# Altium PCB Node.PcbDoc (continued)
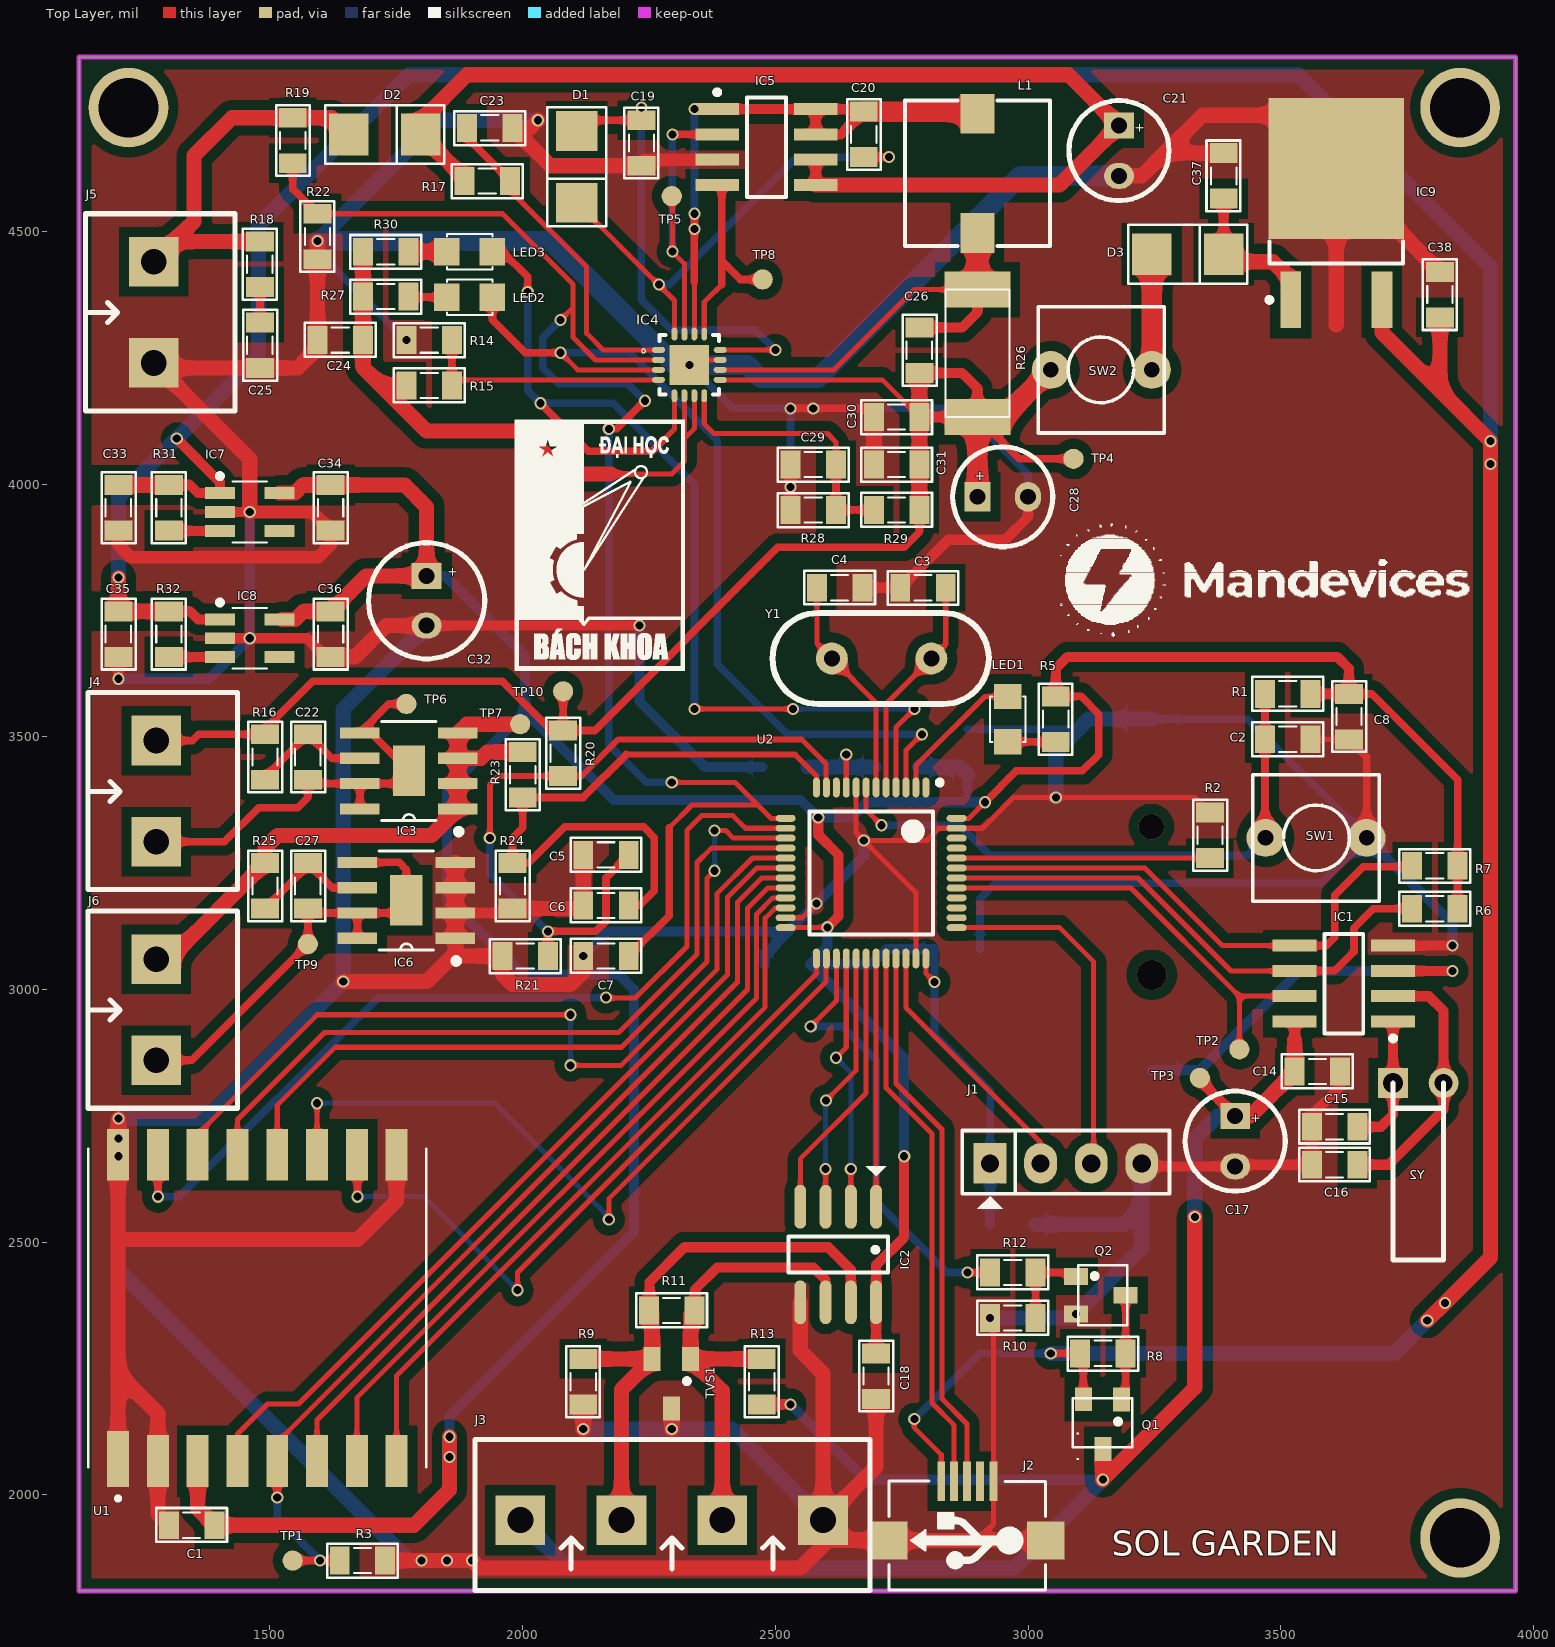
[diagram p0: Top Layer view]
## Footprints (in the part's own frame and the unit in brackets; to place one, negate y for a bottom-side part, rotate by r counter-clockwise, add the part's x,y. Pads: shape width x height; smd on the part's side, far side on the other; paste and mask are expansions set on the pad)
C5mm [mm]
  rect 1.3x1.5 hole 0.8: 1(-1.27,0)
  oval 1.3x1.5 hole 0.8: 2(1.27,0)
  silkscreen extent -2.51,-2.51 2.51,2.51, body extent -2.5,-2.5 2.49,2.5, height 11.01
C8mm [mm]
  rect 1.3x1.5 hole 0.8: 1(-1.25,0)
  oval 1.3x1.5 hole 0.8: 2(1.25,0)
  silkscreen extent -2.92,-2.92 2.92,2.92, body extent -3.15,-3.15 3.16,3.15, height 11.51
CAP_0805 [mil]
  rect 39.37x55 smd: 1(-45,0) 2(45,0)
  silkscreen extent -70,-34 70,33, body extent -40,-25 40,25, height 24
"CR1220 SMD" [mil] "CR1220 SMD"
  rect 98.43x157.48 smd: 1(-9,-341) 2(-9,353)
  silkscreen extent -279,-255 261,284, body extent -299,-362 281,394, height 179
DIO-214AC(SMA) [mm] "DO-214AC Diode Smallest Size"
  rect 2x2.1 smd: 1(1.88,-0.051) 2(-1.732,-0.051)
  silkscreen extent -2.92,-1.52 3.07,1.42, body extent -2.5,-1.35 2.7,1.25, height 2.4
Jump_4p [mil]
  rect 65x80 hole 36: 1(0,0)
  oval 65x80 hole 36: 2(100,0) 3(200,0) 4(300,0)
  silkscreen extent -55,-90 355,65, body extent -50,-49 346,49, height 323
KF2-5.08 [mm]
  rect 2.5x2.5 hole 1.3: 1(-2.54,0) 2(2.54,0)
  silkscreen extent -4.95,-4.08 4.95,3.43, body extent -5,-4.07 5,3.43, height 10
KF4-5.08 [mm]
  rect 2.5x2.5 hole 1.3: 1(0,0) 2(5.08,0) 3(10.147,0) 4(15.215,0)
  silkscreen extent -2.29,-3.53 17.58,4.06, body extent -2.36,-3.43 17.64,4.07, height 10
L-SMD-M-7.3x4.5 [mm] "WE-PDA SMD Shielded Power Inductor, 7345"
  rect 1.7x2 smd: 1(0,3) 2(0,-3)
  silkscreen extent -3.65,-3.65 3.65,3.65, body extent -3.65,-3.65 3.65,3.65, height 4.05
LED-0805-Orange [mil]
  rect 50x55 smd: 1(0,0) 2(90,0)
  silkscreen extent 0,-35 90,35, body extent 5,-25 85,25, height 43
LED-0805-Red [mil]
  rect 50x55 smd: 1(0,0) 2(90,0)
  silkscreen extent 0,-35 90,35, body extent 5,-25 85,25, height 43
"LQFP 48" [mm] "LQFP, 48-Leads, Body 7,00x7,00mm, Pitch 0,50mm, IPC Medium Density"
  oval 1x0.35 smd: 1(-4.296,2.75) 2(-4.296,2.25) 3(-4.296,1.75) 4(-4.296,1.25) 5(-4.296,0.75) 6(-4.296,0.25) 7(-4.296,-0.25) 8(-4.296,-0.75) 9(-4.296,-1.25) 10(-4.296,-1.75) 11(-4.296,-2.25) 12(-4.296,-2.75) 25(4.296,-2.75) 26(4.296,-2.25) 27(4.296,-1.75) 28(4.296,-1.25) 29(4.296,-0.75) 30(4.296,-0.25) 31(4.296,0.25) 32(4.296,0.75) 33(4.296,1.25) 34(4.296,1.75) 35(4.296,2.25) 36(4.296,2.75)
  oval 0.35x1 smd: 13(-2.75,-4.296) 14(-2.25,-4.296) 15(-1.75,-4.296) 16(-1.25,-4.296) 17(-0.75,-4.296) 18(-0.25,-4.296) 19(0.25,-4.296) 20(0.75,-4.296) 21(1.25,-4.296) 22(1.75,-4.296) 23(2.25,-4.296) 24(2.75,-4.296) 37(2.75,4.296) 38(2.25,4.296) 39(1.75,4.296) 40(1.25,4.296) 41(0.75,4.296) 42(0.25,4.296) 43(-0.25,4.296) 44(-0.75,4.296) 45(-1.25,4.296) 46(-1.75,4.296) 47(-2.25,4.296) 48(-2.75,4.296)
  silkscreen extent -4.67,-3.1 3.1,3.58, body extent -4.5,-4.5 4.5,4.5, height 1.6
Ra-02 [mm]
  rect 2.8x1.1 smd: 1(-7.6,7)
  rect 2.6x1.1 smd: 2(-7.7,5) 3(-7.7,3) 4(-7.7,1) 5(-7.7,-1) 6(-7.7,-3) 7(-7.7,-5) 8(-7.7,-7) 9(7.7,-7) 10(7.7,-5) 11(7.7,-3) 12(7.7,-1) 13(7.7,1) 14(7.7,3) 15(7.7,5) 16(7.7,7)
  silkscreen extent -9.68,-8.5 8,8.5, body extent -8,-8.49 8,8.51, height 3.03
RES-SMD-0805 [mil]
  rect 39.37x55 smd: 1(-45,0) 2(45,0)
  silkscreen extent -70,-34 70,33, body extent -39,-25 39,25, height 31
RES-SMD-2512 [mm] "Chip Capacitor, Body 3.2x2.5mm, IPC Medium Density"
  rect 1.8x3.3 smd: 1(-3.2,0.127) 2(3.2,0.127)
  silkscreen extent -3.2,-1.47 3.2,1.73, body extent -3.2,-1.47 3.2,1.73, height 0.6
SO-8 [mm] "8-Pin Small Outline Integrated Circuit 1.27 mm Pitch, IPC Medium Density"
  oval 2.2x0.6 smd: 1(-2.4,1.905) 2(-2.4,0.635) 3(-2.4,-0.635) 4(-2.4,-1.905) 5(2.4,-1.905) 6(2.4,-0.635) 7(2.4,0.635) 8(2.4,1.905)
  silkscreen extent -4.45,-2.5 0.9,2.5, body extent -2.89,-2.43 3.15,2.59, height 1.6
SOIC-8 [mm] "SOIC, 8-Leads, Body 5,0x4,0mm (max), Pitch 1,27mm, IPC Medium Density"
  rect 2.2x0.6 smd: 1(-2.475,1.905) 2(-2.475,0.635) 3(-2.475,-0.635) 4(-2.475,-1.905) 5(2.475,-1.905) 6(2.475,-0.635) 7(2.475,0.635) 8(2.475,1.905)
  silkscreen extent -2.6,-2.5 0.98,2.88, body extent -3.2,-2.5 3.2,2.5, height 1.75
SOP8-PP [mil]
  rect 78x22 smd: 1(-96.99,75.01) 2(-96.99,25.01) 3(-96.99,-24.99) 4(-96.99,-74.99) 5(97.01,-74.99) 6(97.01,-24.99) 7(97.01,25.01) 8(97.01,75.01)
  rect 64x100 smd: 9(0,0)
  silkscreen extent -100,-98 54,121, body extent -119,-99 119,99, height 63
SOT23 [mm] "SOT 23 _ 1-3-2"
  rect 0.85x1.2 smd: 1(-0.94,-1.245) 2(0.985,-1.25) 3(0.005,1.25)
  silkscreen extent -0.89,-0.25 -0.64,0, body extent -1.47,-1.33 1.53,1.17, height 1.06
SOT23-5 [mm] "SOT23, 5-Leads, Body 3.0x3.0mm (max), Pitch 0.95mm, IPC Medium Density"
  rect 1.5x0.6 smd: 1(-1.5,0.95) 2(-1.5,0) 3(-1.5,-0.95) 4(1.5,-0.95) 5(1.5,0.95)
  silkscreen extent -1.62,-1.52 0.87,1.92, body extent -1.75,-1.52 1.75,1.53, height 1.45
SOT23A [mm] "SOT 23A"
  rect 0.85x1.2 smd: 1(-0.94,-1.245) 2(0.005,1.25) 3(0.985,-1.25)
  silkscreen extent -1.47,-1.3 1.52,1.17, body extent -1.5,-1.3 1.5,1.2, height 1.06
SOT23D [mm] "SOT 23C - 1-3-2 - BCE"
  rect 0.85x1.2 smd: 1(-0.95,-1.25) 2(0.94,-1.245) 3(0,1.25)
  silkscreen extent -1.5,-1.14 1.5,1.32, body extent -1.5,-1.17 1.5,1.33, height 1.06
SW2 [mil] "SW button 2pin, 250x 250 mil"
  round 75 hole 31: 1(0,0) 2(200,0)
  silkscreen extent -25,-125 225,125
TO-252 [mm] "KVU D-PAK, 3-Pads, Body 6,2x6,7mm (max), IPC Medium Density"
  rect 2.85x1.05 smd: 1(-4.2,2.29) 3(-4.2,-2.29)
  rect 7.1x6.8 smd: 2(2.4,0)
  silkscreen extent -4.32,-3.35 -1.27,3.49, body extent -5.03,-3.35 5.08,3.35, height 2.4
TP_SMD [mil]
  round 40 smd: 1(0,0)
USB-M1 [mm]
  rect 0.4x2 smd: 1(1.3,0) 2(0.65,0) 3(0,0) 4(-0.65,0) 5(-1.321,0)
  rect 1.9x1.9 smd: 5(-3.95,2.968) 5(3.95,2.968)
  silkscreen extent -3.94,-0.03 3.94,5.46, body extent -3.98,0.11 4,5.54, height 2.71
VQFN-16 [mm]
  oval 0.65x0.3 smd: 1(-1.55,0.75) 2(-1.55,0.25) 3(-1.55,-0.25) 4(-1.55,-0.75) 9(1.55,-0.75) 10(1.55,-0.25) 11(1.55,0.25) 12(1.55,0.75)
  oval 0.3x0.65 smd: 5(-0.75,-1.55) 6(-0.25,-1.55) 7(0.25,-1.55) 8(0.75,-1.55) 13(0.75,1.55) 14(0.25,1.55) 15(-0.25,1.55) 16(-0.75,1.55)
  rect 2x2 smd: 17(0,0)
  silkscreen extent -2.4,-1.5 1.5,1.5
XTAL [mm]
  round 1.6 hole 0.8: 1(-2.552,0.001) 2(2.448,0.001)
  silkscreen extent -5.44,-2.29 5.44,2.29, body extent -5.55,-2.32 5.62,2.35, height 3.63
XTAL32K [mm] "Connector; Header; 2 Position"
  rect 1.5x1.5 hole 1.016: 1(0,0)
  round 1.5 hole 0.9: 2(2.54,0)
  silkscreen extent 0,-8.89 2.54,0

## Part data
BAT1: "Battery 3VDC"
C1 C2 C3 C4 C5 C6 C7 C8 C9 C10 C11 C12 C13 C14 C15 C16 C18 C19 C20 C22 C23 C24 C25 C26 C27 C29 C30 C31 C33 C34 C35 C36 C37 C38: library part CapSMD, "Capacitor", LatestRevisionDate=17-Jul-2002, LatestRevisionNote="Re-released for DXP Platform.", PackageReference=RAD-0.3, Published=8-Jun-2000, Publisher="Altium Limited"
C17 C21 C28 C32: library part "Cap Pol", "Polarized Capacitor (Axial)", LatestRevisionDate=17-Jul-2002, LatestRevisionNote="Re-released for DXP Platform.", PackageReference=POLAR0.8, Published=8-Jun-2000, Publisher="Altium Limited"
D1 D2 D3: "Schottky Rectifiers"
IC2: library part MAX485, "RS232 - RS485 (Same sn75176)"
IC3 IC6: library part XB8688, "One Cell Lithium-ion/Polymer Battery Protection IC"
IC4: "BQ24650 Stand-Alone Synchronous Buck Battery Charge Controller for Solar Power / With Maximum Power Point Tracking"
IC5: "Dual N-Channel Enhancement Mode Field Effect Transistor with Schottky Diode"
IC7 IC8: "RT9013-33GB IC REG LINEAR 3.3V 500mA SOT23-5"
IC9: library part LM78xx, "LDO to 5V", =LM7808
J1: library part Header4, "Header IDC, 4 x 1 Pin Vertical 2.54mm Pitch (Non-Boxed, Male)", Manufacturer="Würth Elektronik eiSos GmbH", partNo=613002143121, ComponentLink1 Description=Manufacturer, ComponentLink1URL=http://www.we-online.com, ComponentLink2 Description=Datasheet, ComponentLink2URL=http://katalog.we-online.de/em/datasheet/6130xx143121.pdf, Created by="Karrer Zheng", Created Date="29 March 2013", NoPins=02
J2: Manufacturer=FCI, Manufacturer Part Number=10118193-0001LF, Supplier Part Number 1=609-4616-1-ND, .Checked PCB=RF, .Checked SCH=MM, .Creator=MM, Category="Connectors, Interconnects", ComponentLink1Description=http://portal.fciconnect.com/Comergent//fci/drawing/10118193.pdf, ComponentLink1URL=http://portal.fciconnect.com/Comergent//fci/drawing/10118193.pdf, Connector Type="USB - micro B", Features="Shielded, Solder Retention", Gender=Receptacle, Ingress Protection=-, Mounting Type="Surface Mount, Right Angle, Horizontal", Number of Contacts=5, Packaging="Cut Tape (CT)", Pricing 1="1=0.46, 10=0.433, 25=0.3712, 50=0.3156, 100=0.3032, 250=0.27224, 500=0.25988 (USD)", RoHS="RoHS Compliant", Specifications="USB 2.0", Stock 1=28642, Supplier 1=Digi-Key
J3: Manufacturer="Würth Elektronik eiSos GmbH", partNo=691133710004, ComponentLink1 Description=Manufacturer, ComponentLink1 URL=http://www.we-online.com, ComponentLink2 Description=Datasheet, ComponentLink2 URL=http://katalog.we-online.de/em/datasheet/6911337100xx.pdf, Created by="Baojun Chen", Created Date=4-Aug-15, NoPins=4
J4 J5 J6: Manufacturer="Würth Elektronik eiSos GmbH", partNo=691103110002, ComponentLink1 Description=Manufacturer, ComponentLink1URL=http://www.we-online.com, ComponentLink2 Description=Datasheet, ComponentLink2URL=http://katalog.we-online.de/em/datasheet/6911031100xx.pdf, Created by="Karrer Zheng", Created Date="29 October 2013", NoPins=2
L1: library part Inductor, "Inductor"
LED1 LED2 LED3: "LED Single colour Green and Red"
Q1: library part MOSFET_P, "30V 5.8A P-Channel MOSFET"
Q2: library part C1815, "NPN 600mW, ECB", =C2383
R1 R2 R31 R32: library part "Resistor - SMD", "Resistor", Manufacturer="Generic Components", Class=Passive, Published=08/06/2000, Publisher="Altium Hobart Technology Centre"
R3 R4 R5 R6 R7 R8 R9 R10 R11 R12 R13 R14 R15 R16 R17 R18 R19 R20 R21 R22 R23 R24 R25 R26 R27 R28 R29 R30: library part "Resistor - SMD", "Resistor SMD", Manufacturer="Generic Components", Class=Passive, Published=08/06/2000, Publisher="Altium Hobart Technology Centre"
SW1 SW2: library part SW2, "Switch button 2 pin"
TP1 TP2 TP3 TP4 TP5 TP6 TP7 TP8 TP9 TP10: library part TP, "CONNECT 1"
TVS1: library part BAV70, "BAV70"
U2: library part STM32F103C8T6, "STM32 ARM-based 32-bit MCU with 64 Kbytes Flash, 64-pin LQFP, Industrial Temperature"
Y1: library part XTAL, "Crystal Oscillator", LatestRevisionDate=17-Jul-2002, LatestRevisionNote="Re-released for DXP Platform.", PackageReference=R38, Published=8-Jun-2000, Publisher="Altium Limited"
Y2: library part XTAL/32KHz, "Crystal Oscillator", LatestRevisionDate=17-Jul-2002, LatestRevisionNote="Re-released for DXP Platform.", PackageReference=R38, Published=8-Jun-2000, Publisher="Altium Limited"

## Free pads (board coordinates)
  round 157.48 hole 118.11: 0(1220,4745) 0(3855,1915) 0(3855,4745)

## Via types
v1: diameter 24, hole 16, Top Layer to Bottom Layer, 88 vias
v2: diameter 59.06, hole 59.06, Top Layer to Bottom Layer, 1 vias
v3: diameter 51.18, hole 51.18, Top Layer to Bottom Layer, 1 vias

## Nets (pads, with @x,y where several pads share a name; then routed paths per layer and width w, separated by ;. In a path a pad name is that pad's centre, name@x,y a point inside that pad or via, vN(x,y) a via of type N, cw(c..) or ccw(c..) an arc to the next point about the centre after c; other vN are vias at no path point)
3V3: C1.1 C8.2 C9.2 C10.2 C11.2 C12.2 C18.2 C32.1 C34.2 C36.2 IC2.8 IC7.5 IC8.5 J1.1 R1.1 R4.1 R5.1 R6.2 R7.2 U1.3 U2.24 U2.36 U2.48 | length 9037.1
  Top Layer w10: U2.24 2521.19,3123.07 v1(2603.07,3123.07) ; U2.36 2797.8,3032.2 v1(2815,3015) ; U2.48 2883.24,3338.81 v1(2915,3370.57)
  Top Layer w15: v1(2915,3370.57) 2976.93,3432.5 3107.5,3432.5 3140,3465 3140,3545 3105,3580 R5.1 ; C8.2 3680,3585 3850,3415 R7.2 R6.2
  Top Layer w20: v1(2585,3340) 2585,3306.18 2625,3266.18 2625,3145 v1(2603.07,3123.07) ; C18.2 IC2.8 2699.37,2454.37 2755,2510 v1(2755,2670) ; R5.1 3055,3635 3078.21,3658.21 3611.79,3658.21 3635,3635 C8.2 R1.1
  Top Layer w30: U1.3 1356.89,1973.11 C1.1 1390,1930 1400,1940 1785,1940 1855,2010 v1(1855,2075) v1(1855,2115) ; IC7.5 1549.19,3982.4 1565,3998.21 C34.2 1766.79,3998.21 1810,3955 C32.1 1690.22,3818.43 C36.2 1565.81,3748.21 1550,3732.4 IC8.5@1524.06,3732.4
  Bottom Layer w15: C9.2 v1(2815,3015) 2815,2910 2925,2800 J1.1 ; 2880,3370.57 C10.2
  Bottom Layer w20: C32.1 1846.57,3818.43 2005,3660 2005,3550 ; v1(1855,2075) v1(1855,2115) 1855,2155 2220,2520 2220,3000 2190,3030 2000,3030 1850,3180 1850,3395 2005,3550 ; v1(2603.07,3123.07) 2603.07,3084.02 C11.2 ; v1(2755,2670) 2755,2864.05 C11.2 ; C9.2 2720,3080 2690,3050 C11.2 ; v1(2915,3370.57) 2880,3370.57 2680.57,3370.57 2650,3340 v1(2585,3340) 2550,3375 2180,3375 2005,3550 ; C12.2 J1.1
  Bottom Layer w30: R4.1 2865,3440 C10.2
5V: C33.2 C35.2 C38.2 IC7.1 IC8.1 IC9.3 J2.1 Q1.3 R8.1 R31.1 R32.1 | length 8292.4
  Top Layer w10: v1(2775,2150) 2775,2132.8 2828.31,2079.49 J2.1
  Top Layer w15: v1(3045,2280) R8.1 3109.42,2273.8 Q1.3
  Top Layer w20: R32.1 1341.79,3748.21 1357.6,3732.4 IC8.1 ; R31.1 1341.79,3998.21 1357.6,3982.4 IC7.1 1400.94,4004.06 v1(1315.61,4090)
  Top Layer w30: v1(1200,3815) C35.2 R32.1 ; C33.2 R31.1 ; IC9.3 3700.16,4299.84 3815,4185 ; v1(3790,2345) v1(3825,2380) 3915,2470 v1(3915,4040) v1(3915,4085) 3815,4185 ; C38.2 3815,4185
  Bottom Layer w15: v1(2775,2150) 2905,2280 v1(3045,2280)
  Bottom Layer w30: v1(1200,3815) 1200,3974.39 v1(1315.61,4090) 1477.51,4252.51 1477.51,4512.51 1775,4810 3535,4810 3915,4430 v1(3915,4085) v1(3915,4040) ; v1(3045,2280) 3725,2280 v1(3790,2345) v1(3825,2380)
5V-: C14.2 C17.1 IC1.8 J3.1 Q1.2 R13.1 TP3.1 | length 3267.9
  Top Layer w20: R13.1 v1(2530,2179) ; TP3.1 3340,2820 C17.1 ; 3527.56,2900 IC1.8
  Top Layer w30: Q1.2 v1(3148.01,2030) 3330.07,2212.05 v1(3330.07,2550) ; C17.1 3440,2750 C14.2 3527.56,2900
  Bottom Layer w20: v1(2530,2179) 2679,2030 v1(3148.01,2030)
  Bottom Layer w30: J3.1 2090.5,1855 2973.01,1855 v1(3148.01,2030) ; v1(3330.07,2550) 3330.07,2705.07 3375,2750 C17.1
A: IC2.6 J3.3 R11.1 R13.2 TVS1.1 | length 958.1
  Top Layer w20: R11.1@2341.23,2365 2341.23,2406.23 2385,2450 2575,2450 2599.37,2425.63 IC2.6
  Top Layer w30: R11.1@2341.23,2365 2332,2355.77 TVS1.1 ; J3.3 2395,2206 TVS1.1 ; R13.2 TVS1.1
BOOT0: R2.1 U2.44 | length 501.3
  Top Layer w10: U2.44 R2.1
BTST: C20.1 D1.2 IC4.16 | length 950.4
  Top Layer w10: D1.2 v1@2270,4393.8 ; v1(2270,4395) v1@2270,4393.8 ; IC4.16 2300.31,4363.48 v1@2270,4393.8
  Top Layer w15: C20.1 v1(2725,4647)
  Bottom Layer w15: v1(2270,4395) 2290,4395 2542,4647 v1(2725,4647)
GND: BAT1.2 C1.2 C2.1 C3.1 C4.1 C5.2 C6.2 C7.2 C8.1 C9.1 C10.1 C11.1 C12.1 C13.1 C14.1 C15.2 C16.2 C17.2 C18.1 C19.2 C21.2 C23.2 C24.2 C25.1 C28.2 C29.1 C30.1 C31.1 C32.2 C33.1 C34.1 C35.1 C36.1 C37.1 C38.1 IC1.4 IC2.5 IC4.11 IC4.17 IC5.3 IC6.1 IC6.2 IC6.3 IC6.4 IC7.2 IC8.2 IC9.2 J1.4 J2.5 J3.4 J5.1 Q2.2 R2.2 R3.2 R9.2 R10.2 R14.1 R21.1 R22.2 R24.1 R28.1 SW1.1 TVS1.3 U1.1 U1.2 U1.9 U1.16 U2.8 U2.23 U2.35 U2.47 | length 24393.6
  Top Layer w10: v1(2329.84,4236.02) 2339.68,4245.87 IC4.11 ; U2.23 2553.22,3141.96 v1(2581.26,3170) ; U2.8 2660,3310 v1(2675,3295) ; U2.35 2778.11,3191.89 v1(2675,3295) ; 2900,1910 2931.49,1941.49 2931.49,2026.84 2931.49,2343.51 v1(2925,2350) ; R2.2 3330.07,3380 v1(3055,3380) 2970.88,3380 2910,3319.12 U2.47 2824.12,3319.12 2800,3295 v1(2675,3295) ; C2.1 C8.1
  Top Layer w15: v1(2530,4150) v1(2575,4150) 2678.03,4150 C30.1 ; C8.1 3670,3460 SW1.1
  Top Layer w20: v1(1200,3615) C35.1 ; IC8.2 v1(1460,3695) 1573.21,3695 C36.1@1610,3658.21 ; IC7.2 v1(1460,3945) ; C32.2 v1(2231.41,3720) ; IC6.2 1971.41,3151.41 R24.1 ; R28.1 v1(2530,3994.02) C29.1 ; C4.1 C3.1 2842.24,3890 2955,3890 3000,3935 C28.2 ; J1.4 3231,2650 C17.2 3413.27,2653.27 C16.2 C15.2 3561.67,2751.67 3617.56,2807.56 C14.1 ; IC1.4 v1(3840,3086.73)
  Top Layer w25: C33.1 1200,3880 1225,3855 1595,3855 1620,3880 C34.1 1583.21,3945 v1(1460,3945) ; C19.2@2230,4630 2242,4642 IC5.3
  Top Layer w30: U1.1 1199.41,2240 ; 1200,2505 1673.7,2505 1750.59,2581.89 U1.9 ; v1(1200,2705) v1(1200,2745) 1200,2720 1199.41,2719.41 U1.16 1199.41,2240 ; C35.1 C35.1@1205,3658.21 ; J5.1 J5.1@1280,4230 ; C1.2 1278.15,1961.85 U1.2 1278.15,2161.26 1199.41,2240 ; v1(1460,3945) 1460,4050 J5.1@1280,4230 ; v1(1594.05,4481.25) R22.2 C24.2 1594.05,4269.05 1555,4230 C25.1 J5.1@1280,4230 ; C36.1@1610,3658.21 C36.1 1668.21,3658.21 1730,3720 C32.2 ; v1(1645,3015.59) 1810.59,3015.59 1861.41,3066.41 ; R3.2 v1(1800,1870) v1(1850,1870) v1(1900,1870) 1915,1855 2550,1855 2594.5,1899.5 ; IC6.4 IC6.3 IC6.2 IC6.1 1866.99,3071.99 1861.41,3066.41 ; R24.1 2113.59,3160 C6.2 C5.2 ; v1(2030,4720) 2015,4705 C23.2 2055,4630 C19.2@2230,4630 ; v1(2120,2130) R9.2 ; v1(2120,3066.41) 2120,3035 2095,3010 1980,3010 1960,3030 R21.1 1861.41,3066.41 ; TVS1.3 2294.8,2130.2 v1(2295,2130) ; IC2.5 2549.37,2285.63 2594.5,2240.5 J3.4 ; C31.1 C30.1 ; C18.1 2699.37,2054.87 J3.4 ; J2.5@3035,1910 2900,1910 2723.98,1910 J3.4@2634.5,1910 ; C21.2 3225,4610 3270,4655 ; C37.1 3270,4655 ; 3610,4315 IC9.2 ; C38.1 3610.51,4624.49 IC9.2 ; 2594.5,1899.5 2605,1910 J3.4@2634.5,1910 ; 2594.5,1899.5 J3.4 ; J3.4 J3.4@2634.5,1910 ; 3270,4655 3345,4730 3504.49,4730 IC9.2
  Bottom Layer w15: v1(1594.05,4481.25) 1594.05,4460.95 v1(1770,4285) ; v1(2329.84,4236.02) 2415.87,4150 v1(2530,4150) ; v1(2530,3994.02) v1(2530,4150) ; C10.1 3090,3515 3095,3510 ; C9.1 2905,3180 2935,3210 3580,3210 SW1.1 3435,3535 BAT1.2 ; C28.2 3000,4020 2870,4150 v1(2575,4150) v1(2530,4150)
  Bottom Layer w20: v1(1200,3615) 1380,3615 v1(1460,3695) v1(1460,3945) ; v1(2120,3066.41) 2168.6,3115 2526.26,3115 ; v1@2231.41,3715 2231.41,3569.82 2361.22,3440 C13.1 ; C11.1 2479.05,3067.79 2526.26,3115 ; v1(2675,3295) 2675,3263.74 v1(2581.26,3170) 2526.26,3115 ; SW1.1 3840,3130 v1(3840,3086.73)
  Bottom Layer w30: v1(1200,2705) v1(1200,2745) ; v1(1594.05,4481.25) 1832.79,4720 v1(2030,4720) ; C32.2 1645,3555 v1(1645,3015.59) 1645,3015 1375,2745 v1(1200,2745) ; v1(1900,1870) v1(1850,1870) v1(1800,1870) 1775,1870 1200,2445 v1(1200,2745) ; v1(2120,2130) v1(2295,2130) 2414.5,2130 J3.4 ; v1(2925,2350) 3087,2350 v1(3095,2358) 3225,2488 3225,2570 ; C12.1 3190,2535 3225,2570 ; v1(3055,3380) 3055,3470 3095,3510 3120,3535 BAT1.2 ; J1.4 3225,2570
  Bottom Layer w40: v1(1594.05,4481.25) 2055.75,4481.25 2300.98,4236.02 v1(2329.84,4236.02) 2444.53,4236.02 2470.55,4210 2585,4210 2985,4610 C21.2
  other v1: 1200,2670
I2C1_SCL: IC1.6 R6.1 U2.42 | length 1055.8
  Top Layer w10: U2.42 3217.6,3220.7 3401.56,3036.73 IC1.6
  Top Layer w15: IC1.6 3606.73,3036.73 3645,3075 3645,3121.41 3683.59,3160 R6.1
I2C1_SDA: IC1.5 R7.1 U2.43 | length 1079.5
  Top Layer w10: U2.43 3231.02,3240.38 3384.67,3086.73 IC1.5
  Top Layer w15: IC1.5 3590.33,3086.73 3606.73,3103.14 3606.73,3186.73 3663,3243 3758,3243 R7.1
MCU_RESET: C2.2 R1.2 SW1.2 U2.7 | length 1171.8
  Top Layer w10: U2.7 2679.68,3355.32 v1(2710,3325)
  Top Layer w15: R1.2 C2.2 3469,3301 SW1.2
  Bottom Layer w15: v1(2710,3325) 2865,3325 2924.77,3265.23 3435.23,3265.23 SW1.2
NetBAT1_1: BAT1.1 IC1.3 | length 793.6
  Top Layer w20: IC1.3 v1(3840,3036.73)
  Bottom Layer w20: BAT1.1 3341,2841 3536.73,3036.73 v1(3840,3036.73)
NetC5_1: C5.1 R20.1 R21.2 U2.11 | length 1429.3
  Top Layer w10: 2551.62,3495 2600.15,3446.47 2600.15,3400.47 U2.11
  Top Layer w12: v1(1935,3300) 1935,3405 1952.49,3422.49 R20.1 2117,3422.49 2189.51,3495 2551.62,3495
  Top Layer w15: R21.2 v1(2050,3114.42) 2050.8,3115.22 2145,3115.22 2165,3135.22 2165,3221.4 C5.1
  Bottom Layer w15: v1(1935,3300) 1935,3229.42 v1(2050,3114.42)
NetC6_1: C6.1 R23.1 R24.2 U2.12 | length 1282.4
  Top Layer w10: 2538.75,3465 2581.26,3422.49 U2.12
  Top Layer w12: 2205,3465 2538.75,3465
  Top Layer w15: 2205,3465 2120,3380 R23.1 2000,3320 1980,3300 R24.2 2011,3250 2083,3322 2239.32,3322 2260.79,3300.53 2260.79,3195.79 2231.41,3166.41 C6.1
NetC7_1: C7.1 IC4.2 R19.1 R22.1 U2.13 | length 2960.2
  Top Layer w10: R22.1 1960,4535 2100,4395 2100,4350 ; v1(2075,4325) 2100,4350 ; IC4.2 2144.13,4245.87 2100,4290 2100,4350 ; 2290,3320 2335,3365 2465,3365 ; v1(2295,3410) 2420.05,3410 2491.25,3338.81 U2.13
  Top Layer w15: R19.1 1545,4584.05 R22.1 ; v1(2170.5,4109.5) 2186.5,4109.5 v1(2242,4165) ; C7.1 2290,3146.4 2290,3320
  Bottom Layer w15: v1(2075,4325) 2040,4290 2040,4230 2071.37,4198.63 2208.37,4198.63 v1(2242,4165) ; v1(2170.5,4109.5) 2170.5,3484.5 2245,3410 v1(2295,3410)
NetC15_1: C15.1 IC1.1 Y2.1 | length 265.1
  Top Layer w20: C15.1 3698.27,2728.27 3722.44,2752.44 Y2.1 IC1.1
NetC16_1: C16.1 IC1.2 Y2.2 | length 523.2
  Top Layer w20: C16.1 3713.27,2653.27 3822.44,2762.44 Y2.2 3822.44,2957.56 3793.27,2986.73 IC1.2
NetC21_1: C21.1 D2.2 IC5.5 IC5.6 R17.1 | length 2314.4
  Top Layer w20: IC5.5 IC5.6
  Top Layer w30: R17.1 1885,4605.21 D2.2 1798.2,4718.2 1890,4810 3080,4810 C21.1 3062,4592 IC5.5
NetC22_1: C22.1 IC3.5 IC3.7 IC3.8 IC3.9 J4.1 TP6.1 | length 878.7
  Top Layer w15: J4.1 1410.01,3292.5 1477.51,3360 1555.24,3360 1575,3379.76 C22.1 1582.5,3407.49 IC3.7 ; IC3.8 IC3.7 ; TP6.1 1735.5,3565 IC3.5 1700,3507.49 IC3.9 1749.99,3407.49 IC3.7
NetC22_2: C22.2 IC3.6 R16.1 | length 254.9
  Top Layer w15: R16.1@1480,3415 1485,3415 C22.2 1622.5,3457.49 IC3.6
NetC23_1: C23.1 IC4.1 R17.2 | length 660.4
  Top Layer w10: R17.2 1975,4581.26 2126.57,4429.68 2126.57,4298.43 2159.45,4265.55 IC4.1
  Top Layer w15: C23.1 1890,4685 R17.2
NetC25_2: C25.2 R18.2 | length 77.1
  Top Layer w15: C25.2@1475,4325 C25.2 R18.2
NetC27_1: C27.1 IC6.5 IC6.7 IC6.8 IC6.9 J6.1 TP9.1 | length 888
  Top Layer w15: J6.1 1345,2860 TP9.1 C27.1 1583.59,3151.41 IC6.7 ; IC6.8 IC6.7 ; IC6.5 1756.03,3251.41 1770,3237.44 IC6.9 1744.99,3151.41 IC6.7
NetC27_2: C27.2 IC6.6 R25.1 | length 243.3
  Top Layer w15: R25.1 1575,3245 C27.2 1623.59,3201.41 IC6.6
NetC29_2: C29.2 IC4.8 R28.2 R29.2 | length 540.6
  Top Layer w10: IC4.8 2359.37,4118.98 2378.35,4100 2603.07,4100 2620,4083.07 C29.2
  Top Layer w15: C29.2 R28.2 R29.2
NetC37_2: C37.2 D3.2 IC9.1 | length 303.8
  Top Layer w20: D3.2 C37.2
  Top Layer w30: D3.2 3402.2,4440 3485,4440 3519.84,4405.16 IC9.1
NetD3_1: D3.1 SW2.2 | length 228.8
  Top Layer w40: SW2.2 D3.1
NetIC2_1: IC2.1 U2.31 | length 491.4
  Top Layer w10: IC2.1 U2.31
NetIC2_2: IC2.2 U2.28 | length 512
  Top Layer w10: v1(2620,2865) 2640.31,2885.31 U2.28 ; IC2.2 v1(2649.37,2645)
  Bottom Layer w10: v1(2620,2865) 2649.37,2835.63 v1(2649.37,2645)
NetIC2_3: IC2.3 U2.29 | length 516.5
  Top Layer w10: IC2.3 v1(2599.37,2645) ; v1(2600,2780) 2660,2840 U2.29
  Bottom Layer w10: v1(2599.37,2645) 2599.37,2779.37 v1(2600,2780)
NetIC2_4: IC2.4 U2.30 | length 545.4
  Top Layer w10: IC2.4 2549.37,2665 2679.68,2795.31 U2.30
NetIC2_7: IC2.7 J3.2 R9.1 R11.2 TVS1.2 | length 1144
  Top Layer w20: R11.2@2251.23,2365 2251.23,2421.23 2320,2490 2605,2490 2649.37,2445.63 IC2.7
  Top Layer w30: R9.1 TVS1.2@2255.99,2269 ; J3.2 2195.5,2208.51 TVS1.2@2255.99,2269 ; R11.2@2251.23,2365 2256.2,2360.02 TVS1.2 TVS1.2@2255.99,2269
NetIC4_3: IC4.3 LED2.2 U2.3 | length 1820.3
  Top Layer w10: v1(2075,4260) 2108.82,4226.18 IC4.3 ; U2.3 2758.43,3473.42 v1(2790,3505)
  Top Layer w15: LED2.2 1940,4325 2005,4260 v1(2075,4260)
  Bottom Layer w15: v1(2075,4260) 2211.89,4260 2385,4086.89 2385,3644.05 2524.05,3505 v1(2790,3505)
NetIC4_5: IC4.5 LED3.2 U2.4 | length 2167.5
  Top Layer w10: 2275.95,4084.73 2300.31,4109.1 IC4.5 ; v1(2340,3555) v1(2535,3555) ; U2.4 2738.74,3518.74 2775,3555 v1(2775.62,3555)
  Top Layer w15: LED3.2@1935,4460 LED3.2 1960,4460 2010,4410 v1(2010,4380) ; v1(2035,4160) 2130,4065 2256.22,4065 2275.95,4084.73
  Bottom Layer w10: v1(2535,3555) v1(2775.62,3555)
  Bottom Layer w15: v1(2010,4380) 2010,4185 v1(2035,4160) 2179.5,4160 2340,3999.5 v1(2340,3555)
NetIC4_13: IC4.13 IC5.4 TP8.1 | length 407.1
  Top Layer w10: IC4.13 2359.37,4360.31 2394.06,4395
  Top Layer w15: IC5.4 2394.06,4582.94 2394.06,4395 ; 2395.51,4440 2430.51,4405 TP8.1
NetIC4_15: IC4.15 IC5.2 TP5.1 | length 604.1
  Top Layer w10: TP5.1 2296.22,4568.78 v1(2296.22,4460) 2320,4436.22 IC4.15
  Top Layer w15: v1(2296.22,4692) IC5.2
  Bottom Layer w15: v1(2296.22,4460) v1(2296.22,4692)
NetIC7_3: IC7.3 R31.2 | length 101.2
  Top Layer w20: R31.2 1300.61,3907.6 IC7.3
NetIC8_3: IC8.3 R32.2 | length 96.2
  Top Layer w20: R32.2@1305,3658.21 1305.61,3657.6 IC8.3
NetLED1_1: LED1.1 R5.2 | length 95
  Top Layer w15: LED1.1 R5.2
NetLED2_1: LED2.1 R27.2 | length 76.6
  Top Layer w15: R27.2 1775.55,4370 LED2.1
NetLED3_1: LED3.1 R30.2 | length 71
  Top Layer w30: R30.2 LED3.1@1845,4460
NetQ1_1: Q1.1 Q2.3 R8.2 | length 209.3
  Top Layer w15: Q1.1 3193.21,2197 R8.2 Q2.3
NetQ2_1: Q2.1 R10.1 R12.1 | length 172.9
  Top Layer w15: R10.1 R12.1 3087.19,2440 Q2.1
NetR3_1: R3.1 TP1.1 U1.5 U2.19 | length 1923.3
  Top Layer w10: U1.5 1514.37,2104.37 2425,3015 2425,3172.75 2472.95,3220.7 U2.19
  Top Layer w15: v1(1514.37,1995) U1.5 ; TP1.1 v1(1599,1870) R3.1
  Bottom Layer w15: v1(1514.37,1995) 1514.37,1954.63 v1(1599,1870)
NetR12_2: R12.2 U2.27 | length 876.3
  Top Layer w10: v1(2570,2926.73) 2620.63,2977.36 U2.27
  Top Layer w15: v1(2880,2440) R12.2
  Bottom Layer w15: v1(2570,2926.73) 2633.27,2926.73 2700,2860 2700,2580 2840,2440 v1(2880,2440)
NetU1_4: U1.4 U2.18 | length 1692.2
  Top Layer w10: U1.4 1435.63,2120.63 1495,2180 1556.41,2180 2405,3028.59 2405,3182 2463.38,3240.38 U2.18
NetU1_6: U1.6 U2.20 | length 1539
  Top Layer w10: U1.6 1593.11,2148.11 2445,3000 2445,3160.96 2485.05,3201.01 U2.20
NetU1_7: U1.7 U2.21 | length 1480.8
  Top Layer w10: U1.7 1671.85,2192.01 2463,2983.16 2463,3149.33 2495,3181.33 U2.21
NetU1_8: U1.8 U2.22 | length 1425.3
  Top Layer w10: U1.8 1750.59,2235.59 2480,2965 2480,3141.07 2499.77,3160.85 2519.6,3160.85 U2.22
NetU1_10: U1.10 U2.25 | length 1378.6
  Top Layer w10: v1(1990,2405) 1990,2440 2581.26,3031.26 U2.25
  Top Layer w15: U1.10 1672.99,2672.01 v1(1672.99,2590)
  Bottom Layer w10: v1(1672.99,2590) 1805,2590 v1(1990,2405)
NetU1_11: U1.11 U2.26 | length 1472
  Top Layer w10: U1.11 v1(1593.11,2775) ; v1(2170.5,2545) 2170.5,2585.94 2600.15,3015.59 2600.15,3060.61 U2.26
  Bottom Layer w10: v1(1593.11,2775) 1945.2,2775 2170.5,2549.7 v1(2170.5,2545)
NetU1_12: U1.12 U2.15 | length 1479
  Top Layer w10: U1.12 1514.37,2770.79 1629.34,2885.75 2195.75,2885.75 2365,3055 2365,3220 v1(2380,3235) ; v1(2380,3315) 2401.24,3315 2416.81,3299.44 U2.15
  Bottom Layer w10: v1(2380,3235) v1(2380,3315)
NetU1_13: U1.13 U2.16 | length 1483
  Top Layer w10: U1.13 1435.63,2742.72 1607.91,2915 2190,2915 2345,3070 2345,3251.41 2373.35,3279.75 U2.16
NetU1_14: U1.14 U2.17 | length 1654.7
  Top Layer w10: U1.14 1356.89,2713.37 1593.52,2950 v1@2090,2950 ; v1(2095,2850) 2195,2850 2385,3040 2385,3190.39 2454.67,3260.07 U2.17
  Bottom Layer w10: v1(2095,2850) v1(2095,2950)
NetU1_15: U1.15 U2.14 | length 1783.5
  Top Layer w10: v1(2165,2983.87) 2165.87,2983 2223,2983 2325,3085 2325,3315 2354,3344 2416,3344 2440.88,3319.12 U2.14
  Top Layer w15: v1(1278.15,2590) U1.15
  Bottom Layer w15: v1(1278.15,2590) 1320,2590 1713.87,2983.87 v1(2165,2983.87)
OSC_IN: C3.2 U2.5 Y1.1 | length 444.3
  Top Layer w10: U2.5 2719.06,3565.14 Y1.1 2837.24,3683.32 C3.2
OSC_OUT: C4.2 U2.6 Y1.2 | length 443.8
  Top Layer w10: C4.2 2582.24,3684.77 Y1.2 2699.37,3567.64 U2.6
PC13: LED1.2 U2.2 | length 282
  Top Layer w10: U2.2 2778.11,3443.11 2915,3580 LED1.2
PH: C20.2 IC4.14 IC5.1 IC5.7 IC5.8 L1.1 | length 1202.5
  Top Layer w10: IC4.14 2339.68,4400
  Top Layer w15: 2339.68,4400 2339.68,4504.69 v1(2340,4505) v1(2340,4535)
  Top Layer w20: v1(2340,4742) IC5.1 IC5.8 ; L1.1@2896.11,4737 L1.1 ; IC5.8 2670,4742 C20.2 2630,4692 IC5.7 IC5.8
  Top Layer w40: C20.2 L1.1@2896.11,4737
  Bottom Layer w15: v1(2340,4505) v1(2340,4535) v1(2340,4742)
REGN: C19.1 D1.1 IC4.12 | length 957
  Top Layer w10: IC4.12 v1(2500,4265.55)
  Top Layer w15: D1.1 2128,4720 C19.1 v1(2235,4745)
  Bottom Layer w15: v1(2235,4745) 2235,4365 2295,4305 2460.55,4305 v1(2500,4265.55)
RTC_OUT: IC1.7 TP2.1 U2.41 | length 862.7
  Top Layer w10: U2.41 3203.99,3201.01 3418.27,2986.73 ; TP2.1 3418.27,2986.73 ; IC1.7 3418.27,2986.73
SRN: C26.1 C28.1 C30.2 C31.2 IC4.9 J4.2 R16.2 R20.2 R26.2 R29.1 SW2.1 TP4.1 TP10.1 | length 3444
  Top Layer w10: IC4.9 2711.54,4206.5 C30.2
  Top Layer w15: J4.2 1346.58,3492.5 1359.08,3505 1480,3505 1585,3610 1960,3610 2057.51,3512.49 R20.2 ; TP10.1 R20.2 ; R29.1 2785,3905 2755,3875 2505,3875 2142.49,3512.49 R20.2 ; R26.2 2983.03,4050 TP4.1
  Top Layer w20: C30.2 R26.2 2900,4189.74 2869.74,4220 C26.1
  Top Layer w30: R29.1 C30.2 C26.1
  Top Layer w40: C28.1 R26.2 2951.85,4133.03 SW2.1
SRP: C26.2 IC4.10 L1.2 R26.1 | length 859.1
  Top Layer w10: IC4.10 2616.18,4226.18 2775,4385 R26.1
  Top Layer w20: C26.2 2869.74,4310 2900,4340.26 R26.1
  Top Layer w40: R26.1 L1.2
SWCLK: J1.3 U2.37 | length 705
  Top Layer w10: U2.37 3062.73,3122.27 3130,3055 3130,2669 J1.3@3144,2655
SWDIO: J1.2 U2.34 | length 515.8
  Top Layer w10: U2.34 2758.43,2964.02 3025,2697.44 J1.2
TS: IC4.4 R14.2 R15.1 | length 503.6
  Top Layer w10: R15.1 1871.5,4206.5 IC4.4
  Top Layer w15: R15.1 R14.2
USB_N: J2.2 U2.32 | length 1090.4
  Top Layer w10: U2.32 2719.06,2805.46 2809.84,2714.67 2809.84,2181.72 2853.9,2137.66 J2.2
USB_P: J2.3 U2.33 | length 1092.9
  Top Layer w10: U2.33 2738.74,2814.06 2829.84,2722.95 2829.84,2190 2879.49,2140.35 J2.3
VB1-: IC3.1 IC3.2 IC3.3 IC3.4 J6.2 R23.2 R25.2 TP7.1 | length 1151.2
  Top Layer w30: J6.2 1300,3060 R25.2 1490,3280 1515,3305 1819.5,3305 IC3.1 IC3.2 IC3.3 ; TP7.1 1889.5,3525 IC3.4 IC3.3 ; R23.2 1930,3470 1917.49,3457.49 IC3.3
VDDA: C13.2 R4.2 U2.9 | length 229.9
  Top Layer w10: v1(2640.31,3465) U2.9 U2.9@2641.11,3398.88
  Bottom Layer w10: 2620,3440 2620,3444.69 v1(2640.31,3465)
  Bottom Layer w30: C13.2 2620,3440 R4.2
VREF: C24.1 IC4.6 IC4.7 R15.2 R27.1 R30.1 | length 1235.9
  Top Layer w10: 2175,4020 2295,4020 2320,4045 2320,4090 ; IC4.6 2320,4090 ; IC4.7 2339.68,4109.69 2320,4090
  Top Layer w30: R30.1 R27.1 C24.1 1684.05,4230.95 1720,4195 ; R15.2 1720,4195 ; 2175,4020 2085,4020 2000,4105 1810,4105 1720,4195
VSOLAR: D2.1 J5.2 R18.1 R19.2 | length 763.9
  Top Layer w30: J5.2 J5.2@1310,4480 ; R18.1 J5.2@1310,4480 ; D2.1 1623,4725 R19.2 1425,4725 1350,4650 1350,4520 J5.2@1310,4480
pads on no net: IC7.4 IC8.4 J2.4 U2.1 U2.10 U2.38 U2.39 U2.40 U2.45 U2.46
copper on no net:
  other v2: 3245,3029
  other v3: 3244,3322

## Polygon pours and split planes (outlines as drawn)
GND on Top Layer "Kyuubi" (solid, remove dead copper, pour order 12): 3965,4845 1122.34,4845 1122.34,1810 3965,1810
GND on Top Layer "Kyuubi" (solid, remove dead copper, pour order 6): 3875,4556.8
GND on Top Layer "Kyuubi" (solid, remove dead copper, pour order 4): 3875,4556.8
no net on Top Layer "Kyuubi" (solid, remove dead copper, pour order 0): 3925,3915
GND on Bottom Layer "Kyuubi" (solid, remove dead copper, pour order 10): 4795,4770
GND on Bottom Layer "Kyuubi" (solid, remove dead copper, pour order 8): 3965,4845.57 1122.35,4845.57 1122.35,1810 3965,1810

## Keep-outs
Keep-Out Layer:
  the board outline again, w10

## Silkscreen, mask and mechanical layers (free items; w line width, h text height)
Top Overlay:
  drawing of 12295 lines, arcs and shapes, not listed
  text "SOL GARDEN" at 3165.21,1880 h50

## Text inside footprints (layer, text, board x,y; h text height)
C17: Top Overlay "+" at 3443,2755 h18 r270
C21: Top Overlay "+" at 3213,4715 h18 r270
C28: Top Overlay "+" at 2895,4008 h18
C32: Top Overlay "+" at 1854,3836.21 h18 r270